# Altium PCB 1CH_MtDrv_R01_V1-0924.PcbDoc (continued)
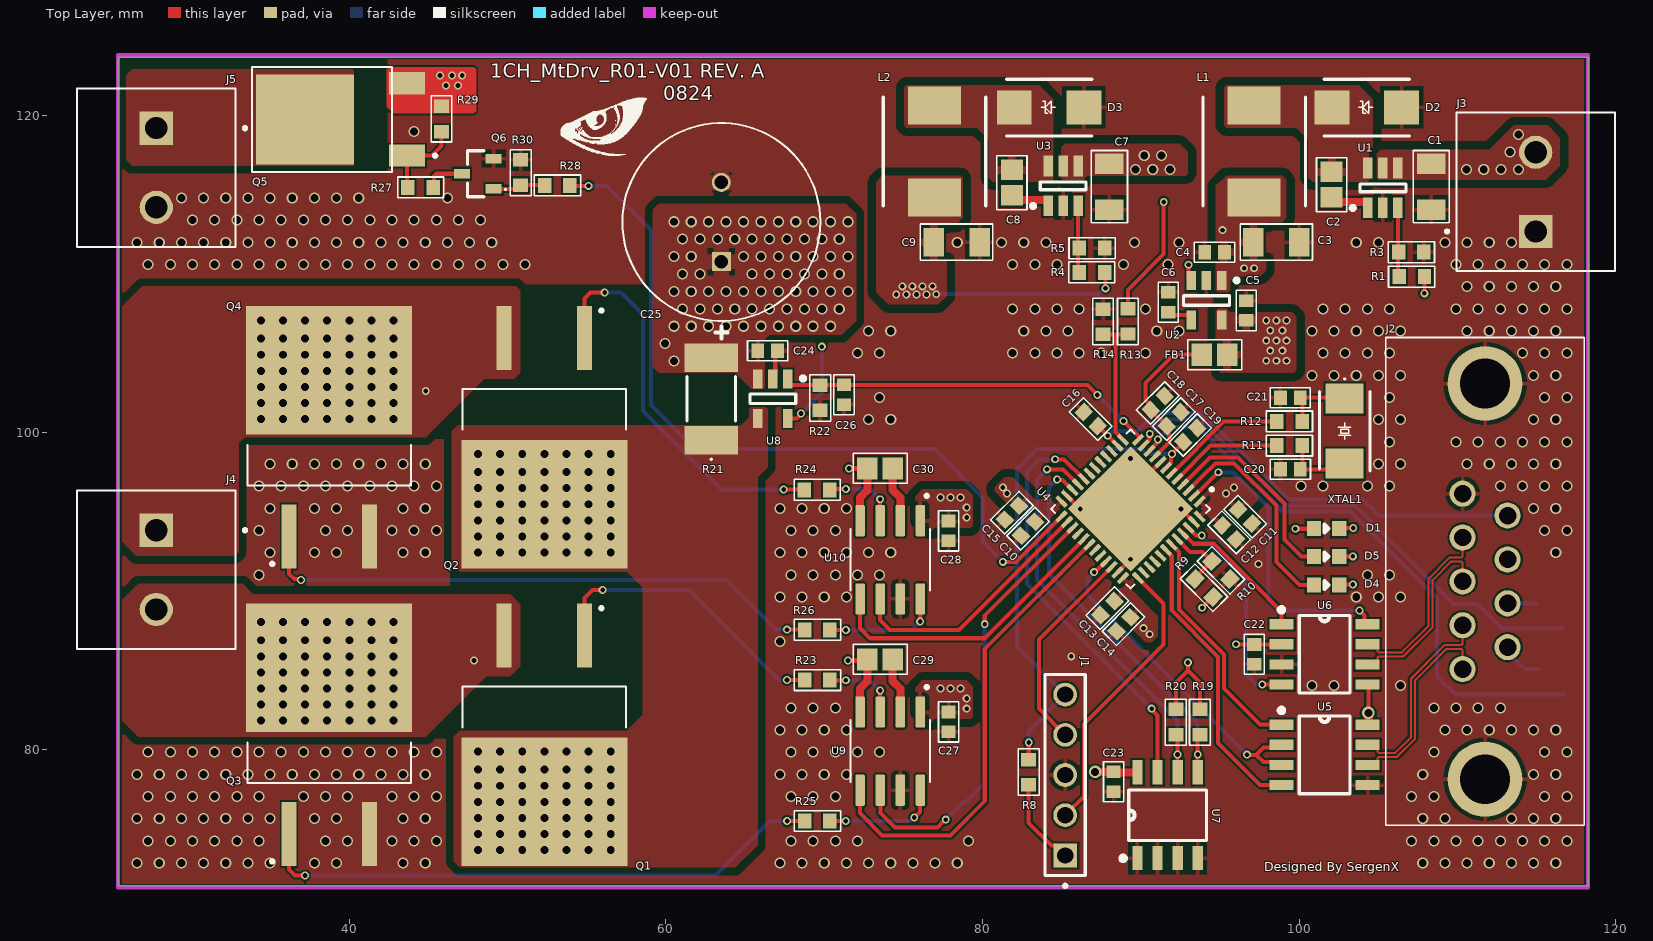
[diagram p0: Top Layer view]
## Part data
C1 C7: library part "4.7 uF 50V 1206", "10 uF 50V 1206"
C2 C8: library part "0.1uF 0805 Surface Capacitor", "0.1uF 0805 Surface Capacitor"
C3 C9: library part "10 uF 50V 1206", "10 uF 50V 1206"
C4 C5 C18 C27 C28: library part "1uF 0603 Surface Capacitor", "1uF 0603 Surface Capacitor"
C6 C17: library part "10nF 0603 Surface Capacitor", "10nF 0603 Surface Capacitor"
C10 C11 C12 C13 C16 C19 C22 C23 C24 C26: library part "0.1uF 0603 Surface Capacitor", "0.1uF 0603 Surface Capacitor"
C14 C15: library part "4.7uF 0603 Surface Capacitor", "4.7uF 0603 Surface Capacitor"
C20 C21: library part "18pF 0603 Surface Capacitor", "18pF 0603 Surface Capacitor"
C25: library part ECA1HM102, "1000µF 50V Aluminum Electrolytic Capacitors Radial, Can 2000 Hrs @ 85Â°C"
C29 C30: library part "2.2uF 0805 Surface Capacitor", "2.2uF 0805 Surface Capacitor"
C31: library part "0.22uF 0805 Surface Capacitor", "0.22uF 0805 Surface Capacitor"
D1 D4 D5: "20mA Generic 0603 Led SMD", Arrow Part Number=LTST-C190KRKT, Manufacturer_Name=Lite-On, Mouser Part Number=859-LTST-C190KRKT, Arrow Price/Stock=https://www.arrow.com/en/products/ltst-c190krkt/lite-on-technology?region=europe, Datasheet Link=https://componentsearchengine.com/Datasheets/1/LTST-C190KRKT.pdf, Height=0.8mm, Manufacturer_Part_Number=LTST-C190KRKT, Mouser Price/Stock=https://www.mouser.co.uk/ProductDetail/Lite-On/LTST-C190KRKT?qs=kAD5fFa1n5VY3YYNWPC1Fg%3D%3D
D2 D3: "2A SMD Schottky Diode", Arrow Part Number=SS26-E3/52T, Manufacturer_Name=Vishay, Mouser Part Number=625-SS26-E3, Arrow Price/Stock=https://www.arrow.com/en/products/ss26-e352t/vishay?region=europe, Datasheet Link=https://componentsearchengine.com/Datasheets/2/SS26-E3_52T.pdf, Height=2.44mm, Manufacturer_Part_Number=SS26-E3/52T, Mouser Price/Stock=https://www.mouser.co.uk/ProductDetail/Vishay-General-Semiconductor/SS26-E3-52T?qs=x2jpVgRnAtNToatHaCRUvw%3D%3D
FB1: "Ferrite Bead 1A 0805 SMD"
J1: "Generic 2.54MM 5 Pin Header", Package=None, Availability=Unavailable, MP=MTSW-105-09-G-S-480, Price=None
J2: "Dsub, Stamped Signal 3A, Straight PCB Thru Hole,  09 Socket, Flash Gold, Bright Tin Shell, 4-40 Threaded Standoff 6.0mm (0.236in), With Boardlock 4.2mm (0.165in)", Manufacturer_Name="Amphenol Communications Solutions", Mouser Part Number=523-L77SDEH09SOL2RM5, Arrow Part Number=L77SDEH09SOL2RM5, Arrow Price/Stock=https://www.arrow.com/en/products/l77sdeh09sol2rm5/amphenol-fci?region=nac, Datasheet Link=https://cdn.amphenol-cs.com/media/wysiwyg/files/drawing/l77sdxhxxsol2rm5.pdf, Geometry.Height=12.5mm, Manufacturer_Part_Number=L77SDEH09SOL2RM5, Mouser Price/Stock=https://www.mouser.co.uk/ProductDetail/Amphenol-Commercial-Products/L77SDEH09SOL2RM5?qs=mq7kV%2Fq8lk5mrczxfq2%252BXg%3D%3D
J3 J4 J5: "TERMI-BLOK PCB MOUNT 2P", Package=None, Availability="In Stock", Check_prices=https://www.snapeda.com/parts/282856-2/TE+Connectivity+AMP+Connectors/view-part/?ref=eda, EU_RoHS_Compliance="Compliant with Exemptions", MF="TE Connectivity", MP=282856-2, Price=None, Purchase-URL=https://pricing.snapeda.com/search/part/282856-2/?ref=eda, SnapEDA_Link=https://www.snapeda.com/parts/282856-2/TE+Connectivity+AMP+Connectors/view-part/?ref=snap
L1 L2: "Fixed Inductor 22uH 2.8A 174 mOHM SMD", Manufacturer_Name=Vishay, Mouser Part Number=70-IHLP2525CZR220M8A, Arrow Part Number=IHLP2525CZER220M8A, Arrow Price/Stock=https://www.arrow.com/en/products/ihlp2525czer220m8a/vishay, Datasheet Link=https://componentsearchengine.com/Datasheets/2/IHLP2525CZER220M8A.pdf, Height=3mm, Manufacturer_Part_Number=IHLP2525CZER220M8A, Mouser Price/Stock=https://www.mouser.co.uk/ProductDetail/Vishay-Dale/IHLP2525CZER220M8A?qs=ei%2FvZTf36ZyKyW60gc1ORQ%3D%3D
Q1 Q2 Q3 Q4: "MOSFET DIS.110A 55V N-CH", Package="TO-263 Infineon", Availability="In Stock", Check_prices=https://www.snapeda.com/parts/IPB60R165CP/Infineon/view-part/?ref=eda, MF=Infineon, MP=IPB60R165CP, Price=None, SnapEDA_Link=https://www.snapeda.com/parts/IPB60R165CP/Infineon/view-part/?ref=snap
Q5: "MOSFET (P-Channel) 50V 40A 8mOhms", Manufacturer_Name=Vishay, Mouser Part Number=781-SUD50P04-08-GE3, Arrow Part Number=SUD50P04-08-GE3, Arrow Price/Stock=https://www.arrow.com/en/products/sud50p04-08-ge3/vishay?region=europe, Datasheet Link=https://www.vishay.com/docs/65594/sud50p04-08.pdf, Height=2.38mm, Manufacturer_Part_Number=SUD50P04-08-GE3, Mouser Price/Stock=https://www.mouser.co.uk/ProductDetail/Vishay-Semiconductors/SUD50P04-08-GE3?qs=WX95TUc1y56BTDQkv3VCeQ%3D%3D
Q6: "0.5A 45V BJT NPN Transistor SOT23 SMD", Manufacturer_Name=Nexperia, Mouser Part Number=771-BC817-40-T/R, Arrow Part Number=BC817-40,215, Arrow Price/Stock=https://www.arrow.com/en/products/bc817-40215/nexperia?region=nac, Datasheet Link=https://assets.nexperia.com/documents/data-sheet/BC817_SER.pdf, Height=1.1mm, Manufacturer_Part_Number=BC817-40,215, Mouser Price/Stock=https://www.mouser.co.uk/ProductDetail/Nexperia/BC817-40215?qs=me8TqzrmIYU%252B245p8hOLaQ%3D%3D
R1: library part "49.9 kOhms 0603", "49.9 kOhms 0603"
R2 R6 R7 R28: library part "330 Ohm 0603", "330 Ohm 0603"
R3: library part "9.53 kOhms 0603", "9.53 kOhms 0603"
R4: library part "47 kOhms 0603", "47 kOhm 0603"
R5: library part "3.3 kOhms 0603", "3.3 kOhms 0603"
R8: library part "4.7 kOhms 0603", "4.7 kOhms 0603"
R9 R10 R11: library part "0 Ohm 0603", "0 Ohm 0603"
R12: library part "1 kOhms 0603", "1 kOhms 0603"
R13 R17 R18: library part "100k Ohm 0603", "100k Ohm 0603"
R14: library part "12.1 kOhms 0603", "12.1 kOhms 0603"
R15 R16: library part "51k Ohm 0603", "51k Ohm 0603"
R19 R20 R29 R30: library part "10 kOhms 0603", "10 kOhms 0603"
R21: "3mOhm Resistor 2510 SMD Package", Manufacturer_Name=Isabellenhutte, Datasheet Link=https://www.isabellenhuetteusa.com/wp-content/uploads/2020/05/BVT.pdf, Height=0.38mm, Manufacturer_Part_Number=BVT-I-R003-1.0
R22: library part "54.9k Ohm 0603", "54.9k Ohm 0603"
R23 R24 R25 R26: library part "47 Ohm 0603", "47 Ohm 0603"
R27: library part "100 Ohm 0603", "100 Ohm 0603"
U1 U3: "+36V 1.2A Buck Converter", Manufacturer_Name="Alpha & Omega Semiconductors", Arrow Part Number=AOZ1282CI, Arrow Price/Stock=https://www.arrow.com/en/products/aoz1282ci/alpha-and-omega-semiconductor?region=nac, Datasheet Link=http://www.aosmd.com/res/data_sheets/AOZ1282CI.pdf, Height=1.25mm, Manufacturer_Part_Number=AOZ1282CI
U2: "IC REG LIN 3.3V 150MA TSOT23-5", Package=None, Availability=Unavailable, MP=LD3985M33R, Price=None
U4: "STMICROELECTRONICS - STM32F042C6U6 - MCU, ARM CORTEX-M0, 48MHZ, UFQFPN-48", Manufacturer_Name=STMicroelectronics, Mouser Part Number=511-STM32F042C6U6, Arrow Part Number=STM32F042C6U6, Arrow Price/Stock=https://www.arrow.com/en/products/stm32f042c6u6/stmicroelectronics, Datasheet Link=https://www.st.com/resource/en/datasheet/stm32f042c6.pdf, Geometry.Height=0.65mm, Manufacturer_Part_Number=STM32F042C6U6, Mouser Price/Stock=https://www.mouser.co.uk/ProductDetail/STMicroelectronics/STM32F042C6U6?qs=4l9S5vBWkUI%2FX%2FLe94sSqA%3D%3D
U5: "3.3V RS485 TRANSRECEIVER IC", Manufacturer_Name="Texas Instruments", Mouser Part Number=595-SN65HVD10DR, Arrow Part Number=SN65HVD10DR, Arrow Price/Stock=https://www.arrow.com/en/products/sn65hvd10dr/texas-instruments?region=nac, Datasheet Link=http://www.ti.com/lit/gpn/sn65hvd10, Height=1.75mm, Manufacturer_Part_Number=SN65HVD10DR, Mouser Price/Stock=https://www.mouser.co.uk/ProductDetail/Texas-Instruments/SN65HVD10DR?qs=QViXGNcIEAviyhAwS0yoXQ%3D%3D
U6: "CAN Interface IC CAN FD Transceiver with Silent Mode", Arrow Part Number=MCP2558FDT-H/SN, Manufacturer_Name=Microchip, Mouser Part Number=579-MCP2558FDT-H/SN, Arrow Price/Stock=https://www.arrow.com/en/products/mcp2558fdt-hsn/microchip-technology?region=nac, Datasheet Link=https://ww1.microchip.com/downloads/en/DeviceDoc/20005533A.pdf, Geometry.Height=1.75mm, Manufacturer_Part_Number=MCP2558FDT-H/SN, Mouser Price/Stock=https://www.mouser.co.uk/ProductDetail/Microchip-Technology/MCP2558FDT-H-SN?qs=ZEMkBHnybRFERYnvJEsEHA%3D%3D
U7: "EEPROM Memory IC 1Kb (128 x 8) IÂ²C 400kHz 900ns 8-SO", Package="SO-8 STMicroelectronics", Availability=Warning, DigiKey-Purchase-URL=https://snapeda.com/shop?store=DigiKey&id=104564, MF=STMicroelectronics, Mouser-Purchase-URL=https://snapeda.com/shop?store=Mouser&id=104564, MP=M24C01-WMN6TP, Price=None, SnapEDA_Link=https://www.snapeda.com/parts/M24C01-WMN6TP/STMicroelectronics/view-part/104564/?ref=snap
U8: "%0.5 Current Monitor 60V Analog SMD", Arrow Part Number=INA139NA/3K, Manufacturer_Name="Texas Instruments", Mouser Part Number=595-INA139NA/3K, Arrow Price/Stock=https://www.arrow.com/en/products/ina139na3k/texas-instruments?region=nac, Datasheet Link=http://www.ti.com/lit/gpn/ina139, Height=1.45mm, Manufacturer_Part_Number=INA139NA/3K, Mouser Price/Stock=https://www.mouser.co.uk/ProductDetail/Texas-Instruments/INA139NA-3K?qs=VBduBm9rCJS5yg1Xiaw5Dw%3D%3D
U9 U10: "3-A, 120-V half bridge gate driver with 8-V UVLO and negative voltage handling", Package="SOIC-8 Texas Instruments", Availability="In Stock", Check_prices=https://www.snapeda.com/parts/UCC27201ADR/Texas+Instruments/view-part/?ref=eda, MF="Texas Instruments", MP=UCC27201ADR, Price=None, Purchase-URL=https://pricing.snapeda.com/search/part/UCC27201ADR/?ref=eda, SnapEDA_Link=https://www.snapeda.com/parts/UCC27201ADR/Texas+Instruments/view-part/?ref=snap
XTAL1: "8MHz 2 Pin SMD Crystal", Manufacturer_Name=ABRACON, Mouser Part Number=815-ABM3-8-D2Y-T, Arrow Part Number=ABM3-8.000MHZ-D2Y-T, Arrow Price/Stock=https://www.arrow.com/en/products/abm3-8.000mhz-d2y-t/abracon?region=europe, Datasheet Link=https://abracon.com/Resonators/abm3.pdf, Height=1.3mm, Manufacturer_Part_Number=ABM3-8.000MHZ-D2Y-T, Mouser Price/Stock=https://www.mouser.co.uk/ProductDetail/ABRACON/ABM3-8.000MHZ-D2Y-T?qs=ihRgKfnEsN4giUXjc3yS1g%3D%3D

## Via types
v1: diameter 0.7, hole 0.5, Top Layer to Bottom Layer, tented both sides, 668 vias
v2: diameter 0.5, hole 0.3, Top Layer to Bottom Layer, tented both sides, 108 vias
v3: diameter 0.8, hole 0.5, Top Layer to Bottom Layer, tented both sides, 2 vias

## Nets (pads, with @x,y where several pads share a name; then routed paths per layer and width w, separated by ;. In a path a pad name is that pad's centre, name@x,y a point inside that pad or via, vN(x,y) a via of type N, cw(c..) or ccw(c..) an arc to the next point about the centre after c; other vN are vias at no path point)
+3v3: C5.1 C10.1 C11.1 C12.1 C13.1 C14.1 C15.1 C23.1 D1.2 FB1.2 J1.01 R8.2 R9.2 R19.2 R20.2 U2.5 U4.1 U4.24 U4.36 U4.48 U5.8 U6.5 U7.8 | length 19
  Top Layer w0.254: R8.2 82.908,75.334 84.34,73.902 84.594,73.902 J1.01 ; R20.2 92.202,84.201 92.964,84.963 ; v2(92.964,85.471) 92.964,84.963 ; R19.2 93.726,84.201 92.964,84.963 ; v2(93.868,88.921) 94.551,89.604 R9.2 ; v2(99.752,93.911) 100.912,93.911 D1.2 ; U6.5 104.362,84.024 v3(104.362,82.285)
  Top Layer w0.508: v3(87.111,78.558) v3(87.111,78.558) 88.246,78.556 88.271,78.531 U7.8 ; U5.8 104.362,81.584 v3(104.362,82.285)
  other v2: 90.551,87.249 90.17,87.63 81.538,96.139 95.377,96.139 81.28,96.52 95.885,96.52 97.917,104.521 98.552,104.521 99.187,104.521 98.171,105.156 98.933,105.156 97.917,105.791 98.552,105.791 99.187,105.791 98.171,106.426 98.933,106.426 97.917,107.061 98.552,107.061 99.187,107.061
+5V: C3.1 C4.1 C22.1 J2.7 L1.2 R1.2 U2.1 U2.3 U6.2 | length 8.3
  Top Layer w0.254: v2@92.934,110.605 92.934,110.538 93.018,110.454 93.018,109.754 U2.3 ; v2(96.012,86.614) 97.145,86.614 C22.1 97.165,86.614 U6.2 ; v2(107.902,108.78) 107.902,109.825 R1.2
  Layer 2 w0.254: v2(93.01,110.582) 93.035,110.608 93.035,110.942 94.816,112.723 95.104,112.723 v2(95.151,112.771)
  other v2: 96.52,110.363 97.155,110.363
+12V: C9.1 C27.2 C28.2 L2.2 R4.2 U9.1 U10.1 | length 11.9
  Top Layer w0.254: R4.2 87.757,110.058 v2(87.757,109.093)
  Bottom Layer w0.254: v2(77.074,108.724) 87.321,108.724 87.69,109.093 v2(87.757,109.093)
  other v2: 78.994,82.551 78.994,83.186 77.343,83.821 77.978,83.821 78.613,83.821 78.994,94.615 78.994,95.25 77.343,95.885 77.978,95.885 78.613,95.885 74.549,108.712 75.184,108.712 75.819,108.712 76.454,108.712 74.93,109.22 75.565,109.22 76.2,109.22 76.835,109.22
+VBUS: C1.1 C7.1 C24.1 C25.P J3.2 Q5.3 R13.2 R21.2 R29.1 U1.4 U1.5 U3.4 U3.5 U8.3 U8.5 | length 12.9
  Top Layer w0.254: U8.5 68.271,100.881 68.533,101.144 v2(68.533,101.189) ; 89.177,108.319 89.177,108.989 91.44,111.252 v2(91.44,114.554)
  Bottom Layer w0.254: v2(68.533,101.189) 69.85,102.506 v2(69.85,105.41)
  other v1: 60.5,104.5 59.95,105.6 60.5,106.7 61.6,106.7 62.7,106.7 63.8,106.7 64.9,106.7 66,106.7 67.1,106.7 68.2,106.7 69.3,106.7 70.4,106.7 61.05,107.8 62.15,107.8 63.25,107.8 64.35,107.8 65.45,107.8 66.55,107.8 67.65,107.8 68.75,107.8 69.85,107.8 70.95,107.8 60.5,108.9 61.6,108.9 62.7,108.9 63.8,108.9 64.9,108.9 66,108.9 67.1,108.9 68.2,108.9 69.3,108.9 70.4,108.9 71.5,108.9 61.05,110 62.15,110 65.45,110 66.55,110 67.65,110 68.75,110 69.85,110 70.95,110 60.5,111.1 61.6,111.1 64.9,111.1 66,111.1 67.1,111.1 68.2,111.1 69.3,111.1 70.4,111.1 71.5,111.1 61.05,112.2 62.15,112.2 63.25,112.2 64.35,112.2 65.45,112.2 66.55,112.2 67.65,112.2 68.75,112.2 69.85,112.2 70.95,112.2 60.5,113.3 61.6,113.3 62.7,113.3 63.8,113.3 64.9,113.3 66,113.3 67.1,113.3 68.2,113.3 69.3,113.3 70.4,113.3 71.5,113.3 89.65,116.6 90.75,116.6 91.85,116.6 110.55,116.6 111.65,116.6 112.75,116.6 113.85,116.6 90.213,117.475 91.313,117.475 113.3,117.7 113.85,118.8
  other v2: 46.114,121.907 46.876,121.907 45.733,122.542 46.495,122.542 47.13,122.542
BOOT_0: R9.1 R10.2 U4.44 | length 4.3
  Top Layer w0.254: U4.44 93.111,92.456 93.886,92.456 R10.2 93.427,90.804 R9.1
BRAKE_EN: R28.1 U4.25 | length 50.2
  Top Layer w0.254: R28.1 53.959,115.57 v2(55.118,115.57) ; v2(81.28,91.821) 82.117,91.821 U4.25
  Bottom Layer w0.254: v2(55.118,115.57) 56.261,115.57 59.055,112.776 59.055,101.727 61.849,98.933 76.962,98.933 80.01,95.885 80.01,93.091 v2(81.28,91.821)
CAN_N: J2.3 U6.6 | length 11.8
  Top Layer w0.127: U6.6 104.683,85.344 104.944,85.606 104.944,85.778 105.019,85.852 106.584,85.852 108.42,87.688 108.42,90.661 109.603,91.845 110.243,91.845 110.317,91.771 J2.3
CAN_P: J2.2 U6.7 | length 11.8
  Top Layer w0.127: U6.7 104.683,86.614 104.944,86.352 104.944,86.18 105.019,86.106 106.479,86.106 108.166,87.793 108.166,90.767 109.498,92.099 110.243,92.099 110.317,92.173 J2.2
CAN_RX: U4.45 U6.1 | length 9.1
  Top Layer w0.254: U4.45 93.31,92.964 94.615,92.964 98.888,88.691 U6.1
CAN_S: U4.2 U6.8 | length 19.2
  Top Layer w0.254: U4.2 93.374,95.995 94.857,97.478 v2(94.89,97.478) ; v2(103.805,88.755) 104.119,88.441 104.119,88.077 U6.8
  Bottom Layer w0.254: v2(94.89,97.478) 95.816,97.478 98.044,95.25 98.044,89.408 98.697,88.755 v2(103.805,88.755)
CAN_TX: U4.46 U6.4 | length 13.5
  Top Layer w0.254: U4.46 93.482,93.499 93.826,93.499 v2(93.84,93.486) ; v2(97.663,84.074) U6.4
  Bottom Layer w0.254: v2(93.84,93.486) 96.647,90.678 96.647,84.707 97.279,84.075 v2(97.663,84.074)
FAULT: D5.2 U4.4 | length 12.9
  Top Layer w0.254: U4.4 94.378,98.425 96.139,98.425 99.06,95.504 99.06,93.218 100.13,92.148 D5.2
FB_5V: R1.1 R3.2 U1.3 | length 4.4
  Top Layer w0.254: U1.3 106.233,109.909 R1.1
FB_12V: R4.1 R5.2 U3.3 | length 4.2
  Top Layer w0.254: U3.3 86.04,110.175 R4.1
GND: C1.2 C3.2 C4.2 C5.2 C6.2 C7.2 C9.2 C10.2 C11.2 C12.2 C13.2 C14.2 C15.2 C16.2 C17.2 C18.2 C19.1 C20.2 C21.2 C22.2 C23.2 C24.2 C25.N C26.1 C27.1 C28.1 D2.2 D3.2 J1.03 J2.1 J2.MH1 J2.MH2 J3.1 J5.2 Q3.3 Q4.3 Q6.2 R2.1 R3.1 R5.1 R6.1 R7.1 R10.1 R14.1 R17.1 R18.1 R22.1 R30.2 U1.2 U2.2 U3.2 U4.8 U4.23 U4.35 U4.47 U4.49 U5.5 U6.3 U7.1 U7.2 U7.3 U7.4 U8.2 U9.7 U10.7 | length 18.7
  Top Layer w0.254: U4.23 v2(86.164,95.16) U4.49 ; U4.35 v2(89.346,91.978) U4.49 ; U4.8 89.346,96.221 U4.49 ; U4.47 v2(92.528,95.16) U4.49
  Top Layer w0.305: U8.2 66.902,103.529 66.902,105.012 C24.2
  other v1: 26.6,72.8 28,72.8 29.4,72.8 30.8,72.8 32.2,72.8 33.6,72.8 35,72.8 37.8,72.8 39.2,72.8 43.4,72.8 44.8,72.8 67.2,72.8 68.6,72.8 70,72.8 71.4,72.8 72.8,72.8 74.2,72.8 75.6,72.8 77,72.8 78.4,72.8 107.8,72.8 109.2,72.8 110.6,72.8 112,72.8 113.4,72.8 114.8,72.8 116.2,72.8 27.3,74.2 28.7,74.2 30.1,74.2 31.5,74.2 32.9,74.2 34.3,74.2 38.5,74.2 39.9,74.2 42.7,74.2 44.1,74.2 45.5,74.2 67.9,74.2 69.3,74.2 70.7,74.2 72.1,74.2 79.1,74.2 107.1,74.2 108.5,74.2 109.9,74.2 111.3,74.2 112.7,74.2 114.1,74.2 115.5,74.2 116.9,74.2 26.6,75.6 28,75.6 29.4,75.6 30.8,75.6 32.2,75.6 33.6,75.6 35,75.6 37.8,75.6 39.2,75.6 43.4,75.6 44.8,75.6 107.8,75.6 109.2,75.6 113.4,75.6 114.8,75.6 116.2,75.6 27.3,77 28.7,77 30.1,77 31.5,77 32.9,77 34.3,77 37.1,77 38.5,77 39.9,77 42.7,77 44.1,77 45.5,77 67.9,77 69.3,77 70.7,77 107.1,77 108.5,77 115.5,77 116.9,77 26.6,78.4 28,78.4 29.4,78.4 30.8,78.4 32.2,78.4 33.6,78.4 35,78.4 36.4,78.4 37.8,78.4 39.2,78.4 40.6,78.4 42,78.4 43.4,78.4 44.8,78.4 67.2,78.4 68.6,78.4 70,78.4 71.4,78.4 107.8,78.4 114.8,78.4 116.2,78.4 27.3,79.8 28.7,79.8 30.1,79.8 31.5,79.8 32.9,79.8 34.3,79.8 35.7,79.8 37.1,79.8 38.5,79.8 39.9,79.8 41.3,79.8 42.7,79.8 44.1,79.8 45.5,79.8 67.9,79.8 69.3,79.8 70.7,79.8 72.1,79.8 73.5,79.8 108.5,79.8 115.5,79.8 116.9,79.8 67.2,81.2 68.6,81.2 70,81.2 71.4,81.2 109.2,81.2 110.6,81.2 112,81.2 113.4,81.2 114.8,81.2 116.2,81.2 67.9,82.6 69.3,82.6 70.7,82.6 108.5,82.6 109.9,82.6 111.3,82.6 112.7,82.6 100.8,84 102.2,84 106.4,84 67.2,86.8 67.2,89.6 68.6,89.6 70,89.6 71.4,89.6 103.6,89.6 105,89.6 106.4,89.6 34.3,91 67.9,91 69.3,91 70.7,91 72.1,91 73.5,91 104.3,91 105.7,91 35,92.4 37.8,92.4 39.2,92.4 43.4,92.4 44.8,92.4 67.2,92.4 68.6,92.4 70,92.4 71.4,92.4 72.8,92.4 74.2,92.4 116.2,92.4 34.3,93.8 38.5,93.8 39.9,93.8 42.7,93.8 44.1,93.8 45.5,93.8 67.9,93.8 69.3,93.8 70.7,93.8 115.5,93.8 116.9,93.8 35,95.2 37.8,95.2 39.2,95.2 43.4,95.2 44.8,95.2 67.2,95.2 68.6,95.2 70,95.2 71.4,95.2 114.8,95.2 116.2,95.2 34.3,96.6 35.7,96.6 37.1,96.6 38.5,96.6 39.9,96.6 41.3,96.6 42.7,96.6 44.1,96.6 45.5,96.6 100.1,96.6 101.5,96.6 104.3,96.6 105.7,96.6 112.7,96.6 114.1,96.6 115.5,96.6 116.9,96.6 35,98 36.4,98 37.8,98 39.2,98 40.6,98 42,98 43.4,98 44.8,98 105,98 106.4,98 110.6,98 112,98 113.4,98 114.8,98 116.2,98 105.7,99.4 109.9,99.4 111.3,99.4 112.7,99.4 114.1,99.4 115.5,99.4 116.9,99.4 72.8,100.8 74.2,100.8 105,100.8 106.4,100.8 114.8,100.8 116.2,100.8 73.5,102.2 105.7,102.2 115.5,102.2 116.9,102.2 100.8,103.6 102.2,103.6 103.6,103.6 105,103.6 106.4,103.6 114.8,103.6 116.2,103.6 72.1,105 73.5,105 81.9,105 83.3,105 84.7,105 86.1,105 87.5,105 90.3,105 101.5,105 102.9,105 104.3,105 105.7,105 114.1,105 115.5,105 116.9,105 72.8,106.4 74.2,106.4 82.6,106.4 84,106.4 85.4,106.4 91,106.4 92.4,106.4 100.8,106.4 102.2,106.4 103.6,106.4 105,106.4 106.4,106.4 110.6,106.4 112,106.4 113.4,106.4 114.8,106.4 116.2,106.4 81.9,107.8 83.3,107.8 84.7,107.8 86.1,107.8 90.3,107.8 101.5,107.8 102.9,107.8 104.3,107.8 105.7,107.8 109.9,107.8 111.3,107.8 112.7,107.8 114.1,107.8 115.5,107.8 116.9,107.8 110.6,109.2 112,109.2 113.4,109.2 114.8,109.2 116.2,109.2 27.3,110.6 28.7,110.6 30.1,110.6 31.5,110.6 32.9,110.6 34.3,110.6 35.7,110.6 37.1,110.6 38.5,110.6 39.9,110.6 41.3,110.6 42.7,110.6 44.1,110.6 45.5,110.6 46.9,110.6 48.3,110.6 49.7,110.6 51.1,110.6 81.9,110.6 83.3,110.6 84.7,110.6 88.9,110.6 91.7,110.6 109.9,110.6 111.3,110.6 112.7,110.6 114.1,110.6 115.5,110.6 116.9,110.6 26.6,112 28,112 29.4,112 30.8,112 32.2,112 33.6,112 35,112 36.4,112 37.8,112 39.2,112 40.6,112 42,112 43.4,112 44.8,112 46.2,112 47.6,112 49,112 78.4,112 81.2,112 82.6,112 84,112 89.6,112 92.4,112 103.6,112 105,112 109.2,112 110.6,112 112,112 113.4,112 30.1,113.4 31.5,113.4 32.9,113.4 34.3,113.4 35.7,113.4 37.1,113.4 38.5,113.4 39.9,113.4 41.3,113.4 42.7,113.4 44.1,113.4 45.5,113.4 46.9,113.4 48.3,113.4 29.4,114.8 30.8,114.8 32.2,114.8 33.6,114.8 35,114.8 36.4,114.8 37.8,114.8 39.2,114.8 40.6,114.8 46.2,114.8 44.1,119
  other v2: 85.598,85.852 97.422,91.681 89.346,98.342
I2C_EEPROM_SCL: R20.1 U4.21 U7.6 | length 26.7
  Top Layer w0.254: v2(84.074,97.663) 85.075,97.663 U4.21 ; R20.1 92.318,80.783 v2(92.318,79.657) U7.6
  Bottom Layer w0.254: v2(84.074,97.663) 83.439,97.028 83.439,90.678 92.318,81.799 v2(92.318,79.657)
I2C_EEPROM_SDA: R19.1 U4.22 U7.5 | length 25.2
  Top Layer w0.254: v2(84.709,97.028) 84.756,96.981 85.05,96.981 U4.22 ; U7.5 v2(93.588,79.646) 93.588,80.761 R19.1
  Bottom Layer w0.254: v2(84.709,97.028) 84.201,96.52 84.201,91.059 93.588,81.672 v2(93.588,79.646)
I2C_EEPROM_WP: U4.20 U7.7 | length 26.8
  Top Layer w0.254: v2(84.582,98.298) 85.148,98.298 U4.20 ; v2(90.678,82.55) 90.678,82.483 91.048,82.113 U7.7
  Bottom Layer w0.254: v2(84.582,98.298) 83.566,98.298 82.804,97.536 82.804,90.424 v2(90.678,82.55)
MT_ENC_A: R16.2 R18.2 U4.10 | length 36.8
  Top Layer w0.254: U4.10@90.538,98.823 90.538,98.839 91.023,99.324 91.023,99.495 v2(91.07,99.542)
  Bottom Layer w0.254: v2(91.07,99.542) 91.858,100.33 93.599,100.33 98.933,94.996 103.251,94.996 108.712,89.535 108.712,84.582 109.855,83.439 115.085,83.439 R18.2
MT_ENC_B: R15.2 R17.2 U4.11 | length 32.8
  Top Layer w0.254: U4.11 90.18,99.188 90.528,99.536 90.528,99.875 v2(90.559,99.905)
  Bottom Layer w0.254: v2(90.559,99.905) 91.466,100.812 93.721,100.812 99.156,95.377 103.505,95.377 109.728,89.154 111.252,89.154 112.792,87.614 R15.2 R17.2
NetC2_1: C2.1 U1.1 | length 2
  Top Layer w0.508: C2.1@102.148,114.554 U1.1@104.1,114.554
NetC2_2: C2.2 D2.1 L1.1 U1.6
NetC6_1: C6.1 U2.4 | length 1.4
  Top Layer w0.254: C6.1 91.904,107.413 U2.4@93.027,107.413
NetC8_1: C8.1 U3.1 | length 2.7
  Top Layer w0.508: C8.1 82.142,114.681 84.094,114.681 84.14,114.635 U3.1
NetC8_2: C8.2 D3.1 L2.1 U3.6
NetC17_1: C17.1 C18.1 FB1.1 U4.9 | length 10
  Top Layer w0.254: U4.9 91.811,99.394 91.811,99.832 91.633,100.01 C17.1 ; C17.1@91.668,100.361 C18.1 90.617,101.715 90.297,102.035 90.297,103.124 92.075,104.902 FB1.1
NetC20_1: C20.1 R11.2 XTAL1.2 | length 4.5
  Top Layer w0.254: R11.2 100.191,97.788 C20.1 102.507,97.663 XTAL1.2
NetC21_1: C21.1 R12.2 XTAL1.1 | length 4.4
  Top Layer w0.254: R12.2 100.191,102.063 C21.1 102.805,102.191 XTAL1.1
NetC29_1: C29.1 U9.2 | length 3.5
  Top Layer w0.508: C29.1 74.321,84.302 74.803,83.82 U9.2
NetC29_2: C29.2 C31.1 J4.2 Q1.3 Q3.2 U9.4 | length 28.4
  Top Layer w0.305: v2(71.501,85.598) 72.661,85.598 C29.2
  Top Layer w0.508: U9.4 72.263,83.82 72.721,84.278 C29.2
  Layer 2 w0.254: v2(47.879,85.598) v2(71.501,85.598)
  other v1: 34.417,81.788 35.814,81.788 37.211,81.788 38.608,81.788 40.005,81.788 41.402,81.788 42.799,81.788 34.417,82.804 35.814,82.804 37.211,82.804 38.608,82.804 40.005,82.804 41.402,82.804 42.799,82.804 34.417,83.82 35.814,83.82 37.211,83.82 38.608,83.82 40.005,83.82 41.402,83.82 42.799,83.82 34.417,84.836 35.814,84.836 37.211,84.836 38.608,84.836 40.005,84.836 41.402,84.836 42.799,84.836 34.417,85.852 35.814,85.852 37.211,85.852 38.608,85.852 40.005,85.852 41.402,85.852 42.799,85.852 34.417,86.868 35.814,86.868 37.211,86.868 38.608,86.868 40.005,86.868 41.402,86.868 42.799,86.868 34.417,88.011 35.814,88.011 37.211,88.011 38.608,88.011 40.005,88.011 41.402,88.011 42.799,88.011
NetC30_1: C30.1 U10.2 | length 3.5
  Top Layer w0.508: C30.1 74.321,96.367 74.803,95.885 U10.2@74.803,94.402
NetC30_2: C30.2 C31.2 J4.1 Q2.3 Q4.2 U10.4 | length 33.4
  Top Layer w0.305: v2(71.561,97.723) C30.2
  Top Layer w0.508: U10.4@72.263,94.402 72.263,95.885 72.721,96.343 C30.2
  Layer 2 w0.254: v2(44.831,102.616) 54.483,102.616 59.376,97.723 v2(71.561,97.723)
  other v1: 34.417,100.838 35.814,100.838 37.211,100.838 38.608,100.838 40.005,100.838 41.402,100.838 42.799,100.838 34.417,101.854 35.814,101.854 37.211,101.854 38.608,101.854 40.005,101.854 41.402,101.854 42.799,101.854 34.417,102.87 35.814,102.87 37.211,102.87 38.608,102.87 40.005,102.87 41.402,102.87 42.799,102.87 34.417,103.886 35.814,103.886 37.211,103.886 38.608,103.886 40.005,103.886 41.402,103.886 42.799,103.886 34.417,104.902 35.814,104.902 37.211,104.902 38.608,104.902 40.005,104.902 41.402,104.902 42.799,104.902 34.417,105.918 35.814,105.918 37.211,105.918 38.608,105.918 40.005,105.918 41.402,105.918 42.799,105.918 34.417,107.061 35.814,107.061 37.211,107.061 38.608,107.061 40.005,107.061 41.402,107.061 42.799,107.061
NetD1_1: D1.1 R2.2 | length 1.9
  Top Layer w0.254: D1.1 102.558,93.957 v2(103.41,93.957)
  Bottom Layer w0.254: R2.2 102.409,93.957 v2(103.41,93.957)
NetD4_1: D4.1 R6.2 | length 1.9
  Top Layer w0.254: D4.1 102.55,90.393 v2(103.382,90.393)
  Bottom Layer w0.254: R6.2@102.354,90.421 R6.2 v2(103.382,90.393)
NetD5_1: D5.1 R7.2 | length 1.9
  Top Layer w0.254: D5.1 102.55,92.171 v2(103.382,92.171)
  Bottom Layer w0.254: R7.2@102.354,92.199 R7.2 v2(103.382,92.171)
NetJ2_8: J2.8 R15.1 | length 1.8
  Bottom Layer w0.254: J2.8 114.986,89.202 R15.1
NetJ2_9: J2.9 R16.1 | length 2.7
  Bottom Layer w0.254: J2.9 113.157,86.106 114.212,85.051 R16.1
NetJ5_1: J5.1 Q5.2
NetQ1_1: Q1.1 R23.2 | length 18.8
  Top Layer w0.254: Q1.1 54.864,89.535 55.372,90.043 v2(56.007,90.043) ; v2(67.644,84.365) R23.2@68.745,84.365
  Bottom Layer w0.254: v2(56.007,90.043) 61.468,90.043 67.146,84.365 v2(67.644,84.365)
NetQ1_2: Q1.2 Q2.2 R21.1 U8.4
  other v1: 48.133,73.616 49.53,73.616 50.927,73.616 52.324,73.616 53.721,73.616 55.118,73.616 56.515,73.616 48.133,74.632 49.53,74.632 50.927,74.632 52.324,74.632 53.721,74.632 55.118,74.632 56.515,74.632 48.133,75.648 49.53,75.648 50.927,75.648 52.324,75.648 53.721,75.648 55.118,75.648 56.515,75.648 48.133,76.664 49.53,76.664 50.927,76.664 52.324,76.664 53.721,76.664 55.118,76.664 56.515,76.664 48.133,77.68 49.53,77.68 50.927,77.68 52.324,77.68 53.721,77.68 55.118,77.68 56.515,77.68 48.133,78.696 49.53,78.696 50.927,78.696 52.324,78.696 53.721,78.696 55.118,78.696 56.515,78.696 48.133,79.839 49.53,79.839 50.927,79.839 52.324,79.839 53.721,79.839 55.118,79.839 56.515,79.839 48.133,92.412 49.53,92.412 50.927,92.412 52.324,92.412 53.721,92.412 55.118,92.412 56.515,92.412 48.133,93.428 49.53,93.428 50.927,93.428 52.324,93.428 53.721,93.428 55.118,93.428 56.515,93.428 48.133,94.444 49.53,94.444 50.927,94.444 52.324,94.444 53.721,94.444 55.118,94.444 56.515,94.444 48.133,95.46 49.53,95.46 50.927,95.46 52.324,95.46 53.721,95.46 55.118,95.46 56.515,95.46 48.133,96.476 49.53,96.476 50.927,96.476 52.324,96.476 53.721,96.476 55.118,96.476 56.515,96.476 48.133,97.492 49.53,97.492 50.927,97.492 52.324,97.492 53.721,97.492 55.118,97.492 56.515,97.492 48.133,98.635 49.53,98.635 50.927,98.635 52.324,98.635 53.721,98.635 55.118,98.635 56.515,98.635
NetQ2_1: Q2.1 R24.2 | length 25.3
  Top Layer w0.254: Q2.1 54.864,108.458 55.245,108.839 v2(56.134,108.839) ; v2(67.437,96.393) 68.726,96.393 R24.2
  Bottom Layer w0.254: v2(56.134,108.839) 57.15,108.839 58.547,107.442 58.547,101.346 63.5,96.393 v2(67.437,96.393)
NetQ3_1: Q3.1 R25.2 | length 36.5
  Top Layer w0.254: Q3.1 36.195,72.39 36.576,72.009 v2(37.211,72.009) ; v2(67.658,75.451) R25.2
  Bottom Layer w0.254: v2(37.211,72.009) 63.119,72.009 66.561,75.451 v2@67.722,75.451
NetQ4_1: Q4.1 R26.2 | length 36.4
  Top Layer w0.254: Q4.1 36.195,91.059 36.529,90.725 36.91,90.725 v2(36.957,90.678) ; v2(67.644,87.54) 68.745,87.54 R26.2
  Bottom Layer w0.254: v2(36.957,90.678) 63.82,90.678 66.957,87.54 v2(67.644,87.54)
NetQ5_1: Q5.1 R27.2 R29.2 | length 5.4
  Top Layer w0.254: R27.2 43.646,115.52 Q5.1 45.212,117.475 45.827,118.09 R29.2
NetQ6_1: Q6.1 R28.2 R30.1 | length 3.3
  Top Layer w0.254: Q6.1 50.596,115.382 R30.1 52.32,115.609 R28.2
NetQ6_3: Q6.3 R27.1 | length 2.6
  Top Layer w0.254: R27.1 45.339,115.505 45.339,116.183 45.488,116.332 Q6.3
NetR11_1: R11.1 U4.5 | length 7.2
  Top Layer w0.254: U4.5 94.41,99.164 R11.1
NetR12_1: R12.1 U4.6 | length 8
  Top Layer w0.254: U4.6 95.227,100.688 R12.1
NetR23_1: R23.1 U9.3 | length 4.8
  Top Layer w0.254: R23.1 70.368,84.342 v2(71.362,84.342) ; U9.3 v2(73.533,83.693)
  Bottom Layer w0.254: v2(71.362,84.342) 72.884,84.342 v2(73.533,83.693)
NetR24_1: R24.1 U10.3 | length 4.8
  Top Layer w0.254: R24.1@70.359,96.432 70.368,96.423 v2(71.362,96.423) ; U10.3 v2(73.533,95.774)
  Bottom Layer w0.254: v2(71.362,96.423) 72.884,96.423 v2(73.533,95.774)
NetR25_1: R25.1 U9.8 | length 7.3
  Top Layer w0.254: R25.1@70.364,75.447 v2(71.358,75.447) ; v2(75.686,75.677) 76.04,76.031 76.04,77.363 U9.8
  Bottom Layer w0.254: v2(71.358,75.447) 75.415,75.447 75.644,75.677 v2(75.686,75.677)
NetR26_1: R26.1 U10.8 | length 7.4
  Top Layer w0.254: R26.1 71.351,87.526 v2@71.374,87.503 ; v2(76.059,88.051) 76.066,88.058 76.066,89.471 U10.8
  Bottom Layer w0.254: v2(71.363,87.515) 75.523,87.515 v2(76.059,88.051)
nRST: C19.2 J1.05 R8.1 U4.7 | length 33.1
  Top Layer w0.254: R8.1 82.917,79.345 v2(82.917,80.416) ; U4.7 91.594,97.774 91.91,98.09 91.91,98.589 92.674,99.353 C19.2
  Bottom Layer w0.254: v2(82.917,80.416) 82.917,81.139 J1.05 82.169,86.487 82.169,97.663 83.439,98.933 90.043,98.933 90.34,98.636 v2(91.957,98.636)
PWM_H1: U4.30 U9.5 | length 29.7
  Top Layer w0.254: U9.5 72.263,75.946 73.66,74.549 77.978,74.549 80.137,76.708 80.137,86.305 U4.30
PWM_H2: U4.29 U10.5 | length 18.8
  Top Layer w0.254: U10.5 72.263,87.63 72.898,86.995 80.12,86.995 U4.29
PWM_L1: U4.27 U9.6 | length 28
  Top Layer w0.254: U9.6 73.546,77.383 73.546,75.97 74.46,75.057 77.158,75.057 77.64,75.54 v2(77.672,75.54) ; v2(80.137,87.884) 80.137,88.426 U4.27
  Bottom Layer w0.254: v2(77.672,75.54) 78.801,76.668 78.954,76.668 80.137,77.851 v2(80.137,87.884)
PWM_L2: U4.26 U10.6 | length 16.2
  Top Layer w0.254: U10.6 73.533,88.138 74.168,87.503 78.506,87.503 U4.26
RS485_DE: U4.33 U5.2 U5.3 | length 21.2
  Top Layer w0.254: v2(87.047,91.168) 87.11,91.168 87.793,91.851 U4.33 ; v2(96.701,79.645) 96.717,79.629 97.282,79.629 ; U5.3 98.715,79.167 97.744,79.167 97.282,79.629 ; U5.2 98.715,80.091 97.744,80.091 97.282,79.629
  Bottom Layer w0.254: v2(87.047,91.168) 86.614,90.735 86.614,89.732 v2(96.701,79.645)
RS485_N: J2.4 U5.7 | length 12.5
  Top Layer w0.127: U5.7 104.683,80.264 104.944,80.002 104.944,79.83 105.019,79.756 106.067,79.756 107.061,80.75 107.061,84.455 109.165,86.559 110.243,86.559 110.317,86.633 J2.4
RS485_P: J2.5 U5.6 | length 12.5
  Top Layer w0.127: U5.6 104.683,78.994 104.944,79.256 104.944,79.428 105.019,79.502 106.172,79.502 107.315,80.645 107.315,84.35 109.27,86.305 110.243,86.305 110.317,86.231 J2.5
RS485_RX: U4.43 U5.1 | length 15
  Top Layer w0.254: U4.43 91.948,92.9 92.409,92.439 92.409,88.82 95.25,85.979 95.25,83.82 97.536,81.534 U5.1
RS485_TX: U4.42 U5.4 | length 18.6
  Top Layer w0.254: U4.42 91.594,92.547 91.948,92.193 91.948,88.742 94.869,85.821 94.869,80.391 97.536,77.724 U5.4
RUN: D4.2 U4.3 | length 13.9
  Top Layer w0.254: U4.3 93.872,97.211 93.872,97.215 94.701,98.044 95.885,98.044 98.552,95.377 98.552,91.821 100.003,90.37 D4.2
SWCLK: J1.02 U4.37 | length 18.2
  Top Layer w0.254: J1.02 86.412,77.014 86.412,81.586 91.44,86.614 91.44,89.177 U4.37
SWDIO: J1.04 U4.34 | length 13.2
  Top Layer w0.254: J1.04 83.566,82.55 83.566,86.906 U4.34
SYS_TEMP: C16.1 J2.6 U4.14 | length 30.3
  Top Layer w0.254: C16.1@87.292,100.396 87.292,100.394 v2(87.901,99.785) U4.14
  Bottom Layer w0.254: v2(87.901,99.785) 88.192,100.076 89.789,100.076 90.932,101.219 93.853,101.219 99.314,95.758 104.013,95.758 105.029,94.742 J2.6
VBUS_CURRENT: C26.2 R22.2 U4.12 U8.1 | length 24.1
  Top Layer w0.254: U8.1 67.705,103.158 67.878,102.985 R22.2 69.758,102.997 C26.2 86.614,102.997 v2(87.249,102.362) ; v2(88.9,100.711) 89.948,99.663 89.948,99.652 U4.12
  Bottom Layer w0.254: v2(87.249,102.362) v2(88.9,100.711)
VBUS_VOLTAGE: R13.1 R14.2 U4.13 | length 8.4
  Top Layer w0.254: R14.2 89.15,106.184 R13.1 ; 88.392,106.172 88.392,100.015 U4.13@88.865,99.542
pads on no net: U4.15 U4.16 U4.17 U4.18 U4.19 U4.28 U4.31 U4.32 U4.38 U4.39 U4.40 U4.41

## Polygon pours and split planes (outlines as drawn)
NetQ1_2 on Top Layer "NETQ1_2_L01_P001" (solid, pour order 1): 64.77,100.457 65.278,100.965 65.278,101.473 65.388,101.583 66.311,101.583 66.421,101.473 66.421,97.79 65.786,97.155 65.786,73.914 64.389,72.517 46.99,72.517 46.609,72.898 46.609,80.772 46.99,81.153 57.531,81.153 58.547,82.169 58.547,90.17 57.531,91.186 46.99,91.186 46.482,91.694 46.482,100.076 46.863,100.457 59.944,100.457
GND on Top Layer "GND_L01_P037" (solid, remove dead copper, pour order 37): 25.4,71.374 25.4,123.698 118.237,123.698 118.237,71.374
NetC30_2 on Top Layer "NETC30_2_L01_P025" (solid, pour order 25): 50.546,109.22 50.8,108.966 50.8,103.759 50.419,103.378 48.514,103.378 44.831,99.695 33.401,99.695 33.02,99.314 33.02,92.456 32.766,92.202 26.543,92.202 25.654,93.091 25.654,107.95 26.924,109.22
+VBUS on Top Layer "+VBUS_L01_P020" (solid, pour order 20): 66.167,102.743 65.405,102.743 64.389,103.759 59.563,103.759 59.182,104.14 59.182,114.046 59.563,114.427 71.374,114.427 72.009,113.792 72.009,107.061 71.12,106.172 66.548,106.172 66.243,105.867 66.243,102.819
NetC29_2 on Top Layer "NETC29_2_L01_P027" (solid, pour order 27): 50.8,89.154 50.8,85.217 50.165,84.582 48.641,84.582 44.831,80.772 26.67,80.772 25.654,81.788 25.654,89.408 26.67,90.424 33.274,90.424 33.909,89.789 50.165,89.789
NetJ5_1 on Top Layer "NETJ5_1_L01_P023" (solid, pour order 23): 40.259,116.84 26.289,116.84 25.908,117.221 25.908,122.555 26.289,122.936 40.259,122.936 40.386,122.809 40.386,116.967
+12V on Top Layer "+12V_L01_P019" (solid, pour order 19): 75.753,93.4 76.383,93.4 76.962,93.979 79.248,93.979 79.375,94.106 79.375,96.011 78.994,96.392 76.2,96.392 75.753,95.946
+12V on Top Layer "+12V_L01_P018" (solid, pour order 18): 75.753,81.336 76.383,81.336 76.962,81.915 79.248,81.915 79.375,82.042 79.375,83.947 78.994,84.328 76.2,84.328 75.753,83.881
+3v3 on Top Layer "+3V3_L01_P014" (solid, pour order 14): 85.25,95.558 84.669,96.139 84.074,96.139 83.693,95.758 83.312,95.758 81.915,97.155 81.407,97.155 80.772,96.52 80.772,96.266 83.566,93.472 83.693,93.472 84.201,93.98 84.201,94.468
+3v3 on Top Layer "+3V3_L01_P015" (solid, pour order 15): 93.853,96.012 93.345,95.504 93.345,95.503 93.3,95.458 93.3,95.429 93.484,95.245 93.484,95.073 93.323,94.912 93.323,94.857 94.708,93.472 95.123,93.472 97.409,95.758 97.409,96.012 96.266,97.155 95.123,97.155
+3v3 on Top Layer "+3V3_L01_P012" (solid, pour order 12): 89.027,91.186 87.63,89.789 87.63,89.408 90.297,86.741 90.678,86.741 91.059,87.122 91.059,88.392 89.281,90.17 89.535,90.424 89.535,90.678
+3v3 on Top Layer "+3V3_L01_P009" (solid, pour order 9): 94.869,107.823 94.742,107.696 94.742,104.013 94.996,103.759 99.695,103.759 99.822,103.886 99.822,107.315 99.568,107.569 95.631,107.569 95.377,107.823
+5V on Top Layer "+5V_L01_P007" (solid, pour order 7): 94.742,108.966 94.742,115.57 95.377,116.205 98.933,116.205 99.187,115.951 99.187,113.538 98.933,113.284 98.171,113.284 97.917,113.03 97.917,110.236 97.536,109.855 95.885,109.855 95.631,109.601 95.631,108.966 95.504,108.839 94.869,108.839
+12V on Top Layer "+12V_L01_P006" (solid, pour order 6): 78.613,116.205 78.74,116.078 78.74,113.538 78.359,113.157 77.978,113.157 77.724,112.903 77.724,108.585 77.216,108.077 74.041,108.077 73.279,108.839 73.279,115.824 73.66,116.205
+VBUS on Top Layer "+VBUS_L01_P005" (solid, pour order 5): 92.964,116.332 92.837,116.205 86.614,116.205 86.36,115.951 84.709,115.951 84.709,117.729 85.217,118.237 92.456,118.237 92.964,117.729
NetC8_2 on Top Layer "NETC8_2_L01_P004" (solid, pour order 4): 84.455,115.951 84.455,121.031 83.566,121.92 75.184,121.92 75.057,121.793 75.057,119.38 75.184,119.253 78.74,119.253 79.629,119.253 80.391,118.491 80.391,116.078 80.645,115.824 84.328,115.824
NetC2_2 on Top Layer "NETC2_2_L01_P003" (solid, pour order 3): 104.648,115.951 104.648,121.031 103.759,121.92 95.377,121.92 95.25,121.793 95.25,119.38 95.377,119.253 98.933,119.253 99.822,119.253 100.584,118.491 100.584,116.078 100.838,115.824 104.521,115.824
+VBUS on Top Layer "+VBUS_L01_P002" (solid, pour order 2): 115.57,115.951 106.68,115.951 105.029,115.951 104.902,116.078 104.902,117.602 105.156,117.856 112.014,117.856 113.538,119.38 115.697,119.38 116.459,118.618 116.459,116.84 116.078,116.459
GND on Layer 2 "GND_L03_P032" (solid, remove dead copper, pour order 32): 25.4,71.374 25.4,123.698 118.237,123.698 118.237,71.374
+3v3 on Layer 2 "+3V3_L03_P010" (solid, pour order 10): 99.568,107.569 99.822,107.315 99.822,103.886 99.314,103.378 97.663,103.378 97.155,102.87 97.155,96.266 98.298,95.123 102.235,95.123 102.616,94.742 102.616,89.535 102.362,89.281 95.758,89.281 95.123,88.646 95.123,83.312 95.631,82.804 105.029,82.804 105.664,82.169 105.664,71.882 105.156,71.374 81.915,71.374 80.645,72.644 80.645,102.489 81.661,103.505 92.837,103.505 93.472,104.14 93.472,107.061 93.98,107.569 96.266,107.569
+12V on Layer 2 "+12V_L03_P017" (solid, pour order 17): 74.168,109.728 74.041,109.601 74.041,107.823 75.692,106.172 75.692,76.2 75.946,75.946 79.883,75.946 80.391,76.454 80.391,109.601 80.264,109.728
+VBUS on Layer 2 "+VBUS_L03_P021" (solid, pour order 21): 116.84,114.173 72.39,114.173 71.882,113.665 71.882,106.68 68.961,103.759 59.563,103.759 58.42,104.902 45.085,118.237 45.085,123.698 58.039,123.698 58.801,123.698 116.84,123.698 117.094,123.444 117.094,114.427
+5V on Layer 2 "+5V_L03_P011" (solid, pour order 11): 96.266,110.871 96.012,110.617 96.012,109.982 96.139,109.855 106.045,109.855 107.823,108.077 107.823,88.138 107.442,87.757 95.885,87.757 95.504,87.376 95.504,86.487 95.885,86.106 107.823,86.106 108.839,87.122 108.839,90.932 109.474,91.567 111.887,91.567 112.649,90.805 114.046,90.805 114.173,90.932 114.173,93.091 114.046,93.218 112.903,93.218 111.887,92.202 109.474,92.202 108.839,92.837 108.839,108.585 106.553,110.871 99.441,110.871
GND on Bottom Layer "GND_L04_P040" (solid, remove dead copper, pour order 40): 25.4,71.374 25.4,123.698 118.237,123.698 118.237,71.374
NetC30_2 on Bottom Layer "NETC30_2_L04_P041" (solid, pour order 41): 49.146,109.22 49.4,108.966 49.4,103.759 49.019,103.378 47.114,103.378 43.431,99.695 32.001,99.695 31.62,99.314 31.62,92.456 31.366,92.202 25.524,92.202 25.524,109.22
NetC30_2 on Bottom Layer "NETC30_2_L04_P028" (solid, pour order 28): 50.546,109.22 50.8,108.966 50.8,103.759 50.419,103.378 48.514,103.378 44.831,99.695 33.401,99.695 33.02,99.314 33.02,92.456 32.766,92.202 26.543,92.202 25.781,92.964 25.781,108.077 26.924,109.22
+VBUS on Bottom Layer "+VBUS_L04_P038" (solid, pour order 38): 116.84,114.046 72.39,114.046 71.882,113.538 71.882,106.553 68.961,103.632 59.563,103.632 58.42,104.775 45.085,118.11 45.085,123.571 58.039,123.571 58.801,123.571 116.84,123.571 117.094,123.317 117.094,114.3
NetC29_2 on Bottom Layer "NETC29_2_L04_P029" (solid, pour order 29): 50.8,89.154 50.8,85.217 50.165,84.582 48.641,84.582 44.831,80.772 26.67,80.772 26.289,81.153 26.289,90.043 26.67,90.424 33.274,90.424 33.909,89.789 50.165,89.789
no net on Top Solder "NONET_L01_P-001" (solid): 60.579,94.996 64.389,94.996 64.389,75.311 60.579,75.311
no net on Bottom Solder "NONET_L01_P-001" (solid): 64.643,117.983 64.643,121.793 84.328,121.793 84.328,117.983
no net on Bottom Solder "NONET_L01_P-001" (solid): 86.042,117.983 86.042,121.793 105.727,121.793 105.727,117.983
GND on Layer 1 "GND_L02_P031" (solid, remove dead copper, pour order 31): 25.4,71.374 25.4,123.698 118.237,123.698 118.237,71.374

## Keep-outs
Keep-Out Layer:
  lines w0.254: 25.4,71.247 118.237,71.247 118.237,123.825 25.4,123.825 25.4,71.247

## Other copper
Top Layer:
  pour cut-out: 68.132,101.608 68.123,101.6 66.548,101.6 66.421,101.6 66.421,101.667 66.421,102.654 68.132,102.654
  pour cut-out: 46.345,91.694 46.345,89.926 46.355,89.916 46.99,89.916 46.99,91.049
  pour cut-out: 47.127,81.29 47.615,81.29 47.498,81.407 47.498,83.312 44.831,80.645 44.831,80.635 46.472,80.635
  pour cut-out: 50.937,109.347 50.937,103.759 50.419,103.241 48.571,103.241 44.89,99.559 46.355,99.559 46.355,100.143 46.806,100.594 64.713,100.594 65.181,101.062 65.181,102.773 64.332,103.622 59.506,103.622 59.055,104.073 59.055,109.347
  pour cut-out: 40.3,123.571 40.3,116.332 42.418,116.332 42.418,123.571
  region net +VBUS: 42.545,123.063 42.376,122.894 42.376,120.565 42.799,120.142 47.879,120.142 48.006,120.269 48.006,122.936 47.879,123.063

## Silkscreen, mask and mechanical layers (free items; w line width, h text height)
Top Overlay:
  drawing of 9 lines, arcs and shapes, not listed
  text "1CH_MtDrv_R01-V01 REV. A" at 48.896,122.085 h1.52
  text "0824" at 59.818,120.65 h1.52
  text "Designed By SergenX" at 97.79,72.059 h1
Mechanical 1:
  the board outline again, w0.254